# Altium PCB TRACKER.PcbDoc (part 2 of 2)
Units mil, origin at the board's own origin, x right, y up, seen from the top; angles counter-clockwise.
Board outline 4032.95 x 2360 mil, 2 copper layers (Top Layer, Bottom Layer), stack 64.173 mil thick; 101 components, 78 nets, 318 pads, 691 vias.
Unrouted connection lines stored in the file: 12.
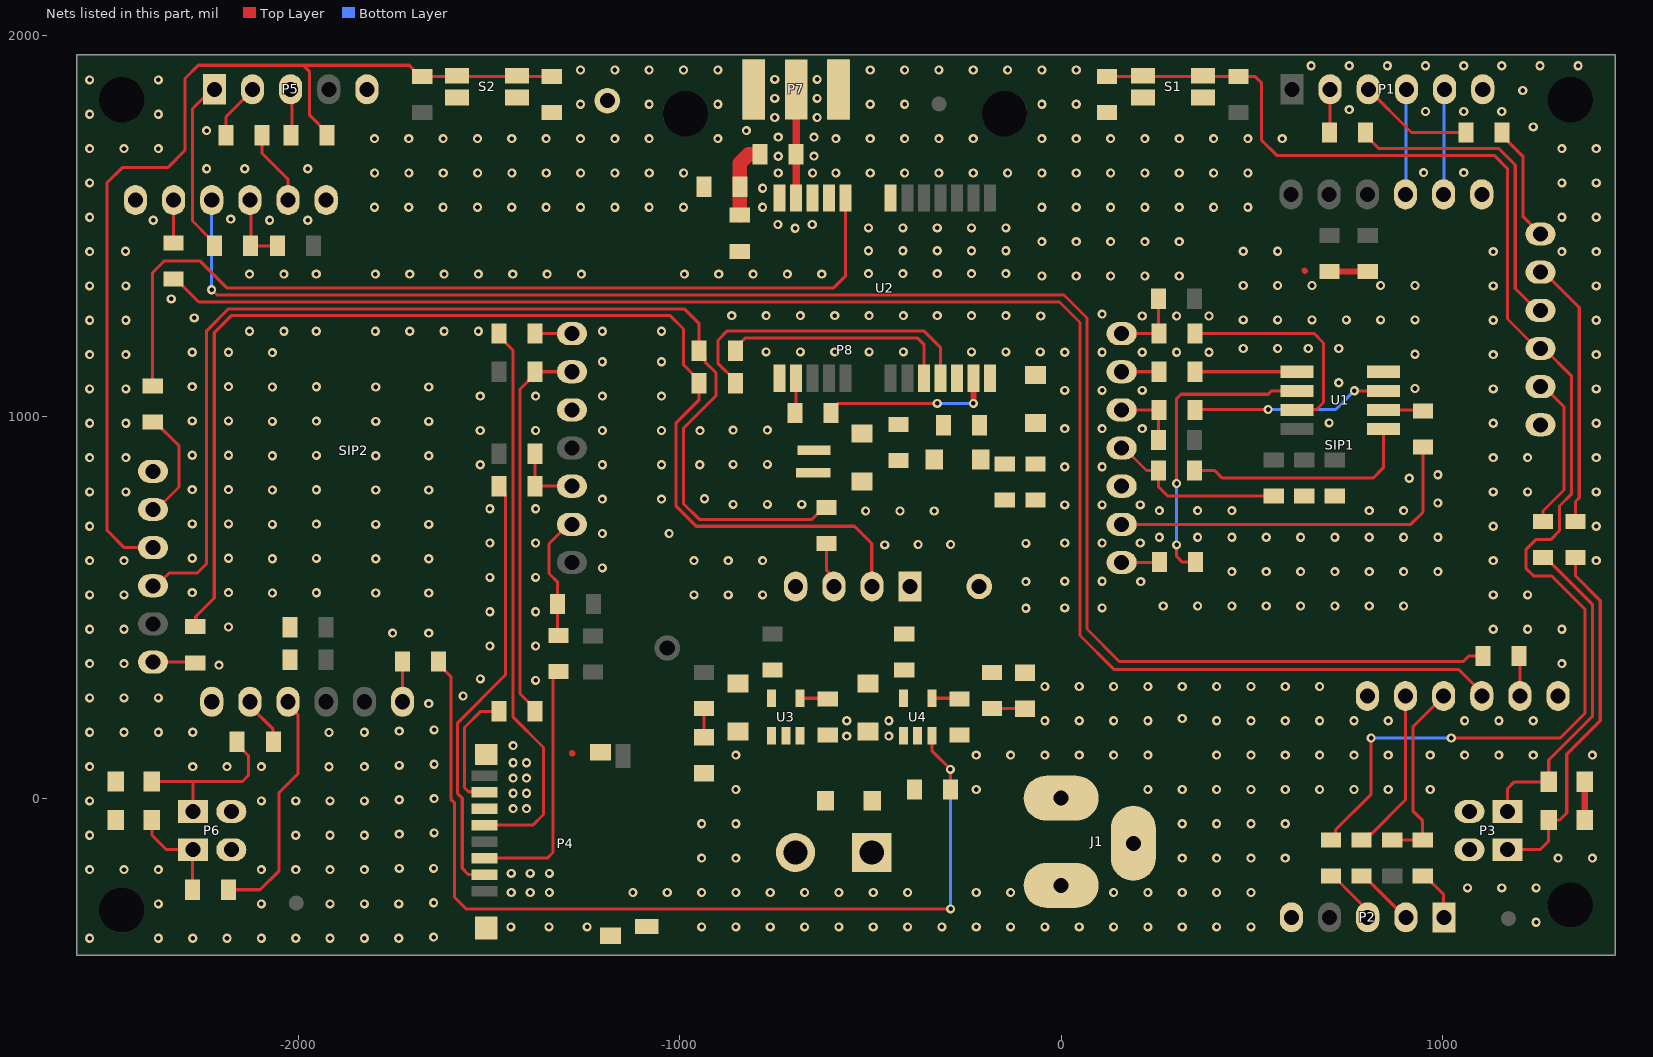
[diagram p2: the nets of this part, all layers, seen from the top]

## Via types
v1: diameter 24, hole 12, Top Layer to Bottom Layer, tented both sides, 687 vias
v2: diameter 31.5, hole 15.75, Top Layer to Bottom Layer, tented both sides, 3 vias
v3: diameter 24, hole 12, Top Layer to Bottom Layer, 1 vias

## Nets (pads, with @x,y where several pads share a name; then routed paths per layer and width w, separated by ;. In a path a pad name is that pad's centre, name@x,y a point inside that pad or via, vN(x,y) a via of type N, cw(c..) or ccw(c..) an arc to the next point about the centre after c; other vN are vias at no path point) (continued)
GND: BT1.NEG C1.2 C2.2 C3.2 C4.2 C5.2 C6.2 C7.2 C8.2 C9.1 C10.2 C11.2 C12.2 C13.2 C14.2 C15.2 C16.2 C17.2 D1.2 D2.2 D3.2 D4.2 D6.2 D8.2 J1.2 J1.3 P1.6 P2.5 P3.2 P3.4 P4.6 P4.10 P4.MP1 P4.MP2 P4.MP3 P4.MP4 P5.5 P6.2 P6.4 P7.2 P7.3 P7.4 P7.5 P8.4 P9.2 S1.1 S1.2 S2.1 S2.2 SIP1.1 SIP1.6 SIP1.7 SIP1.13 SIP1.23 SIP2.1 SIP2.6 SIP2.7 SIP2.13 SIP2.23 TP2.1 U1.4 U2.7 U2.10 U2.12 U2.13 U2.24 U3.2 U4.2 | length 197.8
  Top Layer w16: D3.2@-2477.78,-46.11 D3.2@-2477.39,-46.51 ; -1281.99,117.86 -1281.3,117.17 ; P4.MP4@-1208.12,117.17 P4.MP4@-1207.43,116.48 ; C10.2@-69.08,1108.37 C10.2@-67.58,1109.87 ; 638.01,1382.86 639.13,1381.74 ; C1.2@702.32,1381.74 C1.2@703.44,1380.62 C2.2@803.44,1380.62 ; D1.2@1372.44,-47.14 D2.2@1372.44,42.86
  other v1: -2546.56,-367.14 -2366.56,-367.14 -2276.56,-367.14 -2186.56,-367.14 -2096.56,-367.14 -2006.56,-367.14 -1916.56,-367.14 -1826.56,-367.14 -1736.56,-367.14 -1645.07,-364.07 -1442.56,-337.14 -1342.56,-337.14 -1242.56,-337.14 -942.56,-337.14 -852.56,-337.14 -762.56,-337.14 -672.56,-337.14 -582.56,-337.14 -492.56,-337.14 -402.56,-337.14 -312.56,-337.14 -222.56,-337.14 -132.56,-337.14 -42.56,-337.14 47.44,-337.14 137.44,-337.14 227.44,-337.14 317.44,-337.14 407.44,-337.14 497.44,-337.14 1245,-325 -2366.56,-277.14 -2096.56,-277.14 -1916.56,-277.14 -1826.56,-277.14 -1736.56,-277.14 -1645.07,-274.07 -1441.56,-247.14 -1391.56,-247.14 -1341.56,-247.14 -1122.56,-247.14 -1032.56,-247.14 -942.56,-247.14 -852.56,-247.14 -762.56,-247.14 -672.56,-247.14 -582.56,-247.14 -492.56,-247.14 -402.56,-247.14 -222.56,-247.14 -132.56,-247.14 137.44,-247.14 227.44,-247.14 317.44,-247.14 407.44,-247.14 497.44,-247.14 1065,-235 1155,-235 1245,-235 -1441.56,-197.14 -1391.56,-197.14 -1341.56,-197.14 -2546.56,-187.14 -2456.56,-187.14 -2366.56,-187.14 -2096.56,-187.14 -2006.56,-187.14 -1916.56,-187.14 -1826.56,-187.14 -1735.07,-184.07 -1645.07,-184.07 -942.56,-157.14 -852.56,-157.14 317.44,-157.14 407.44,-157.14 497.44,-157.14 587.44,-157.14 1302.44,-157.14 1392.44,-157.14 -2546.56,-97.14 -2006.56,-97.14 -1916.56,-97.14 -1826.56,-97.14 -1735.07,-94.07 -1643.57,-91 -942.56,-67.14 -852.56,-67.14 317.44,-67.14 407.44,-67.14 497.44,-67.14 587.44,-67.14 -1436.56,-27.14 -1401.56,-27.14 -2546.56,-7.14 -2096.56,-7.14 -2006.56,-7.14 -1916.56,-7.14 -1826.56,-7.14 -1735.07,-4.07 -1643.57,-1 -1436.56,12.86 -1401.56,12.86 -852.56,22.86 -222.56,22.86 227.44,22.86 317.44,22.86 407.44,22.86 497.44,22.86 587.44,22.86 677.44,22.86 767.44,22.86 857.44,22.86 967.44,22.86 -1436.56,52.86 -1401.56,52.86 -1919.14,82.34 -2546.56,82.86 -2276.56,82.86 -2186.56,82.86 -2096.56,82.86 -1826.56,82.86 -1735.07,85.93 -1643.57,89 -1436.56,92.86 -1401.56,92.86 -852.56,112.86 -222.56,112.86 -132.56,112.86 -42.56,112.86 47.44,112.86 137.44,112.86 227.44,112.86 407.44,112.86 497.44,112.86 587.44,112.86 677.44,112.86 767.44,112.86 857.44,112.86 967.44,112.86 1057.44,112.86 1147.44,112.86 1237.44,112.86 1392.44,112.86 -1436.56,137.86 -561.99,162.86 -451.56,162.86 -1919.14,172.34 -2546.56,172.86 -2456.56,172.86 -2366.56,172.86 -2276.56,172.86 -1826.56,172.86 -1735.07,175.93 -1643.57,179 -561.99,202.86 -451.56,202.86 -42.56,202.86 47.44,202.86 137.44,202.86 227.44,202.86 407.44,202.86 497.44,202.86 587.44,202.86 677.44,202.86 767.44,202.86 857.44,202.86 1057.44,202.86 1147.44,202.86 1237.44,202.86 317.42,208.89 -1657.56,247.86 -2546.56,262.86 -2456.56,262.86 -2366.56,262.86 -1567.56,267.86 -42.56,292.86 47.44,292.86 137.44,292.86 227.44,292.86 317.44,292.86 407.44,292.86 497.44,292.86 587.44,292.86 677.44,292.86 -1377.58,308.89 -1522.56,312.86 -2207.58,348.89 -2546.56,352.86 -2456.56,352.86 1312.44,352.86 -1497.58,398.89 -1377.58,398.89 -1752.56,432.86 -1657.56,432.86 -2546.56,442.86 -2456.56,442.86 1132.44,442.86 1222.44,442.86 1312.44,442.86 -2182.58,448.89 -1497.58,488.89 -1377.58,488.89 -92.56,497.86 9.46,498.88 107.42,498.89 267.42,503.89 357.42,503.89 447.42,503.89 537.42,503.89 627.42,503.89 717.42,503.89 807.42,503.89 897.42,503.89 -2546.56,532.86 -2456.56,532.86 -962.56,532.86 -872.56,532.86 -782.56,532.86 1132.44,532.86 1222.44,532.86 -2067.56,537.86 -1796.56,537.86 -1657.56,537.86 -2277.58,538.89 -2182.58,538.89 -1952.17,538.49 -92.56,567.86 208.44,567.86 9.46,568.89 107.42,568.89 -1497.58,578.89 -1377.58,578.89 447.42,593.89 537.42,593.89 627.42,593.89 717.42,593.89 807.42,593.89 897.42,593.89 987.42,593.89 -1202.58,603.89 -2546.56,622.86 -2456.56,622.86 -962.56,622.86 -872.56,622.86 -782.56,622.86 1132.44,622.86 1402.44,622.86 -2067.56,627.86 -1796.56,627.86 -1657.56,627.86 -2277.58,628.89 -2182.58,628.89 -1952.17,628.49 -462.58,663.89 -375,665 -290,665 -92.56,667.86 -1497.58,668.89 -1377.58,668.89 9.46,668.89 107.42,668.89 207.42,668.89 257.42,683.89 357.42,683.89 447.42,683.89 537.42,683.89 627.42,683.89 717.42,683.89 807.42,683.89 897.42,683.89 987.42,683.89 -1202.58,693.89 -1027.58,693.89 -2546.56,712.86 1132.44,712.86 1402.44,712.86 -2067.56,717.86 -1796.56,717.86 -1657.56,717.86 -2277.58,718.89 -2182.58,718.89 -1952.17,718.49 -512.56,752.86 -422.56,752.86 -332.56,752.86 257.42,753.89 357.42,753.89 447.42,753.89 807.42,753.89 897.42,753.89 -1497.58,758.89 -1377.58,758.89 9.46,768.89 107.42,768.89 207.42,768.89 -860,770 -770,770 -680,770 987.42,773.89 -1202.58,783.89 -1047.58,783.89 -935,785 -2546.56,802.86 -2451.56,802.86 1132.44,802.86 1222.44,802.86 1402.44,802.86 -2067.56,807.86 -1796.56,807.86 -1657.56,807.86 -2277.58,808.89 -2182.58,808.89 -1952.17,808.49 912.42,838.89 987.44,847.86 9.46,868.89 107.42,868.89 -1522.58,873.89 -1202.58,873.89 -1047.58,873.89 -947.58,873.89 -860,875 -770,875 -2546.56,892.86 -2451.56,892.86 1132.44,892.86 1222.44,892.86 1402.44,892.86 -2067.56,897.86 -1796.56,897.86 -1657.56,897.86 -2277.58,898.89 -2182.58,898.89 -1952.17,898.49 -1522.58,963.89 -1377.58,963.89 -1202.58,963.89 -1047.58,963.89 -946.71,963.45 -860,965 -770,965 9.46,968.89 107.42,968.89 212.42,968.89 -2546.56,982.86 -2451.56,982.86 1132.44,982.86 1402.44,982.86 702.42,983.89 -2067.56,987.86 -1796.56,987.86 -1657.56,987.86 -2277.58,988.89 -2182.58,988.89 -1952.17,988.49 -1522.58,1053.89 -1377.58,1053.89 -1202.58,1053.89 -1047.58,1053.89 9.46,1068.89 107.42,1068.89 212.42,1068.89 -2546.56,1072.86 -2451.56,1072.86 1132.44,1072.86 1402.44,1072.86 927.42,1073.89 -2067.56,1077.86 -1796.56,1077.86 -1657.56,1077.86 -2277.58,1078.89 -2182.58,1078.89 -1952.17,1078.49 727.42,1088.89 -1202.58,1143.89 -1047.58,1143.89 -2546.56,1162.86 -2451.56,1162.86 1132.44,1162.86 1402.44,1162.86 927.42,1163.89 -2067.56,1167.86 -2277.58,1168.89 -2182.58,1168.89 9.46,1168.89 107.42,1168.89 212.42,1168.89 302.42,1168.89 387.42,1168.89 -773.63,1170 -683.63,1170 -593.63,1170 -503.63,1170 -413.63,1170 -235,1170 -145,1170 -55,1170 477.42,1178.89 567.42,1178.89 647.42,1178.89 727.42,1178.89 -2127.58,1223.89 -2037.58,1223.89 -1952.58,1223.89 -1797.58,1223.89 -1707.58,1223.89 -1617.58,1223.89 -1527.58,1223.89 -1202.58,1223.89 -1047.58,1223.89 -2546.56,1252.86 -2451.56,1252.86 1132.44,1252.86 1402.44,1252.86 477.42,1253.89 567.42,1253.89 657.42,1253.89 747.42,1253.89 837.42,1253.89 927.42,1253.89 -2272.58,1258.89 -53.54,1264.02 212.42,1263.89 302.42,1263.89 387.42,1263.89 -863.63,1264.99 -773.63,1264.99 -683.63,1264.99 -593.63,1264.99 -503.63,1264.99 -413.63,1264.99 -325,1265 -235,1265 -145,1265 107.42,1268.89 -2332.58,1308.89 -2546.56,1342.86 -2451.56,1342.86 1132.44,1342.86 1402.44,1342.86 477.42,1343.89 567.42,1343.89 657.42,1343.89 837.42,1343.89 927.42,1343.89 -50.54,1368.89 39.46,1368.89 129.46,1368.89 219.46,1368.89 309.46,1368.89 -2127.58,1373.89 -2037.58,1373.89 -1952.58,1373.89 -1797.58,1373.89 -1707.58,1373.89 -1617.58,1373.89 -1527.58,1373.89 -1437.58,1373.89 -1347.58,1373.89 -1257.58,1373.89 -987.58,1373.89 -897.58,1373.89 -807.58,1373.89 -717.58,1373.89 -627.58,1373.89 -505,1375 -415,1375 -325,1375 -235,1375 -145,1375 -2546.56,1432.86 1132.44,1432.86 1312.44,1432.86 1402.44,1432.86 -2452.58,1433.89 477.42,1433.89 567.42,1433.89 -505,1435 -415,1435 -325,1435 -235,1435 -145,1435 -50.54,1458.89 39.46,1458.89 129.46,1458.89 219.46,1458.89 309.46,1458.89 -697.58,1493.89 -505,1495 -415,1495 -325,1495 -235,1495 -145,1495 -742.58,1503.89 -652.58,1503.89 -2380,1515 -2075,1515 -1975,1515 -2176.56,1517.86 -2546.56,1522.86 1312.44,1522.86 1402.44,1522.86 -1800,1548.9 -1710,1548.9 -1620,1548.9 -1530,1548.9 -1440,1548.9 -1350,1548.9 -1260,1548.9 -1170,1548.9 -1080,1548.9 -990,1548.9 -782.58,1548.89 -50.54,1548.89 39.46,1548.89 129.46,1548.89 219.46,1548.89 309.46,1548.89 399.46,1548.89 489.46,1548.89 -782.58,1598.89 -2546.56,1612.86 1312.44,1612.86 1402.44,1612.86 -1799.82,1638.9 -1709.82,1638.9 -1619.82,1638.9 -1529.82,1638.9 -1439.82,1638.9 -1349.82,1638.9 -1259.82,1638.9 -1169.82,1638.9 -1079.82,1638.9 -989.82,1638.9 -741.56,1638.89 -651.56,1638.89 -590.54,1638.89 -500.54,1638.89 -410.54,1638.89 -320.54,1638.89 -230.54,1638.89 -140.54,1638.89 -50.54,1638.89 39.46,1638.89 129.46,1638.89 219.46,1638.89 309.46,1638.89 399.46,1638.89 489.46,1638.89 950,1640 1055,1640 -2240,1650 -2140,1650 -1975,1650 -741.56,1682.86 -648,1683 -2546.56,1702.86 -2456.56,1702.86 -2366.56,1702.86 1312.44,1702.86 1402.44,1702.86 -1800,1728.9 -1710,1728.9 -1620,1728.9 -1530,1728.9 -1440,1728.9 -1350,1728.9 -1260,1728.9 -1170,1728.9 -1080,1728.9 -900,1728.9 -590.54,1728.89 -500.54,1728.89 -410.54,1728.89 -320.54,1728.89 -230.54,1728.89 -50.54,1728.89 39.46,1728.89 129.46,1728.89 219.46,1728.89 309.46,1728.89 399.46,1728.89 489.46,1728.89 579.46,1728.89 -741.56,1732.86 -648,1733 -2240,1750 -825,1750 1237.31,1759.72 -750.82,1784.3 -639.82,1784.3 -2546.56,1792.86 -2366.56,1792.86 955,1800 1055,1800 1155,1800 755,1805 -1260,1818.9 -1080,1818.9 -900,1818.9 -500.54,1818.89 -410.54,1818.89 -50.54,1818.89 39.46,1818.89 -750.82,1834.3 -639.82,1834.3 1210,1855 -2546.56,1882.86 -2366.56,1882.86 -750.82,1884.3 -639.82,1884.3 -1260,1908.9 -1170,1908.9 -1080,1908.9 -990,1908.9 -900,1908.9 -500.54,1908.89 -410.54,1908.89 -320.54,1908.89 -230.54,1908.89 -140.54,1908.89 -50.54,1908.89 39.46,1908.89 655,1920 755,1920 855,1920 955,1920 1055,1920 1155,1920 1255,1920 1355,1920
GPS_RF_IN: L1.2 P7.1 U2.11 | length 284.6
  Top Layer w19.99: U2.11@-694.82,1573.3 P7.1@-694.82,1857.86
GPS_RX: P8.2 R41.1 R44.1 | length 3236.8
  Top Layer w8: R44.1@-2270,449.49 -2268.51,450.98 -2268.51,476.49 -2220,525 -2220,1220 -2175.14,1264.86 -1025,1264.86 -990,1229.86 -990,1135.95 -948.8,1094.75 R41.1@-948.8,1087.86 -948.8,1044.16 -1010,982.96 -1010,766.3 -956.56,712.86 -541.56,712.86 -496.56,667.86 -496.56,555.55 P8.2@-495.88,554.87
  Bottom Layer w8: P8.2@-495.88,554.87 P8.2@-495.88,563.92
GPS_V_BCKP: BT1.POS C13.1 R42.1 R43.2 U2.22
GPS_VCC_RF: R39.1 U2.9
MTR_ACVTY: R7.1 SIP1.11 | length 705.3
  Top Layer w8: SIP1.11@1256.44,1378.86 1265.49,1378.86 1358.01,1286.35 1358.01,787.86 1348.01,777.86 R7.1@1348.01,725.11
MTR_CS_FLASH: R9.1 R13.2 SIP1.22 | length 456.2
  Top Layer w8: SIP1.22@158.44,917.86 164.51,917.86 223.49,858.89 R13.2@255.17,858.89 255.17,816.39 279.92,791.64 R9.1@537.42,791.64
MTR_I2C_SCL: P1.5 SIP1.14 | length 276.5
  Bottom Layer w8: SIP1.14@1002.44,1582.86 1003.72,1584.14 1003.72,1857.02 P1.5@1005,1858.3
MTR_I2C_SDA: P1.4 SIP1.15 | length 276.5
  Bottom Layer w8: SIP1.15@902.44,1582.86 903.72,1584.14 903.72,1857.02 P1.4@905,1858.3
MTR_LPUART_RX: R6.1 SIP1.10 | length 846
  Top Layer w8: R6.1@797.24,1745 797.24,1738.11 832.35,1703 1147,1703 1190.18,1659.82 1190.18,1336.07 1247.38,1278.86 SIP1.10@1256.44,1278.86
MTR_LPUART_TX: R4.1 SIP1.12 | length 308.2
  Top Layer w8: R4.1@1155,1745 1155,1738.11 1210,1683.11 1210,1525.3 SIP1.12@1256.44,1478.86
MTR_NHOLD: R8.1 R15.1 SIP1.19 | length 179.2
  Top Layer w8: SIP1.19@158.44,1217.86 R15.1@256.2,1217.86 255.17,1218.89 R8.1@255.17,1298.89
MTR_NRST: C5.1 R5.1 R12.1 S1.3 S1.4 SIP1.9 | length 3808.6
  Top Layer w8: C5.1@120,1892.24 R12.1@465,1892.24 507.76,1892.24 525,1875 525,1725 565,1685 1135,1685 1170,1650 1170,1256.25 1247.38,1178.86 SIP1.9@1256.44,1178.86 1265.49,1178.86 1338.01,1106.35 1338.01,797.86 1306.32,766.18 1306.32,701.18 1283.01,677.86 1244.19,677.86 1218.01,651.68 1218.01,602.86 1238.01,582.86 1285.31,582.86 1373.01,495.16 1373.01,222.86 1308.01,157.86 v1(1022.44,157.86) ; R5.1@707.44,-109.89 718.9,-98.43 718.9,-82.9 812.44,10.65 v1(812.44,157.86)
  Bottom Layer w8: v1(812.44,157.86) v1(1022.44,157.86)
MTR_NWP: R10.1 R16.2 SIP1.21 | length 177.2
  Top Layer w8: SIP1.21@158.44,1017.86 R16.2@256.2,1017.86 255.17,1016.84 R10.1@255.17,938.89
MTR_SPI2_MISO: R14.2 SIP1.24 | length 974
  Top Layer w8: SIP1.24@158.44,717.86 916.39,717.86 948.44,749.91 R14.2@948.44,920.62
MTR_SPI2_MOSI: R18.1 SIP1.20 | length 97.8
  Top Layer w8: SIP1.20@158.44,1117.86 R18.1@256.2,1117.86
MTR_SPI2_SCK: R17.1 SIP1.25 | length 96.7
  Top Layer w8: SIP1.25@158.44,617.86 R17.1@255.17,617.86
MTR_STATUS: R11.1 SIP1.8 | length 407.3
  Top Layer w8: SIP1.8@1256.44,1078.86 1265.49,1078.86 1318.01,1026.35 1318.01,807.86 1263.01,752.86 R11.1@1263.01,725.11
MTR_SWCLK: R3.1 SIP1.2 | length 430.9
  Top Layer w8: R3.1@787.44,-109.89 803.12,-94.21 812.59,-94.21 902.44,-4.35 SIP1.2@902.44,267.86
MTR_SWDIO: R1.1 R2.1 SIP1.3 | length 501.2
  Top Layer w8: R1.1@867.44,-109.89 R2.1@947.44,-109.89 947.44,-59.35 922.44,-34.35 922.44,187.86 SIP1.3@1002.44,267.86
MTR_UART_RX: R20.1 SIP1.4 | length 4368
  Top Layer w8: R20.1@-2326.99,1360.62 -2320.1,1360.62 -2260.35,1300.86 -4.56,1300.86 49.42,1246.89 49.42,426.45 138.01,337.86 1041.49,337.86 1102.44,276.92 SIP1.4@1102.44,267.86
MTR_UART_TX: R19.1 SIP1.5 | length 103.2
  Top Layer w8: SIP1.5@1202.44,267.86 1202.44,369.62 R19.1@1203.44,370.62
NetC9_2: C9.2 L1.1 R39.2 | length 198.8
  Top Layer w38: R39.2@-842.43,1528.11 C9.2@-842.43,1602.75 ; C9.2@-842.43,1602.86 -842.43,1664.43 -818.99,1687.86 L1.1@-789.56,1687.86
NetC14_1: C14.1 U3.4 | length 74.1
  Top Layer w8: U3.4@-684.16,262.07 -615.18,262.07 -612.39,259.28 C14.1@-611.56,260.11
NetC16_1: C16.1 U4.4 | length 74.6
  Top Layer w8: U4.4@-339.16,262.07 -268.53,262.07 C16.1@-266.56,260.11 ; U4.4@-339.16,264.48 U4.4@-338.33,265.3
NetC17_1: C17.1 FB2.1 U4.5
NetD1_1: D1.1 P3.1 R7.2 | length 959.8
  Top Layer w8: P3.1@1170,-135 1255,-135 1277.76,-112.24 D1.1@1277.76,-57.14 ; D1.1@1278,-57.09 1306.92,-57.09 1325.2,-38.81 1325.2,115.62 1413.01,203.43 1413.01,517.86 1348.01,582.86 R7.2@1348.01,630.62
NetD2_1: D2.1 P3.3 R11.2 | length 868.5
  Top Layer w8: P3.3@1170,-35 1170,25 1187.86,42.86 D2.1@1277.76,42.86 ; R11.2@1263.01,630.62 1269.9,630.62 1393.01,507.51 1393.01,215.43 1277.95,100.37 D2.1@1277.95,42.86
NetD3_1: D3.1 P6.3 R33.2 | length 269.2
  Top Layer w8: D3.1@-2383.29,-57.14 -2383.29,-96.71 -2345,-135 P6.3@-2275.34,-135 -2277.24,-136.9 R33.2@-2277.24,-240
NetD4_1: D4.1 P6.1 R36.2 | length 440.6
  Top Layer w8: D4.1@-2382.27,42.86 D4.1@-2383.29,43.89 -2275,43.89 ; P6.1@-2275.34,-35 -2275.34,43.54 -2275,43.89 ; R36.2@-2159.8,147.86 -2159.8,140.97 -2130,111.17 -2130,60 -2146.11,43.89 -2275,43.89
NetD5_2: D5.2 R42.2
NetD6_1: D6.1 R45.1 | length 75.5
  Top Layer w8: D6.1@-936.56,160.11 R45.1@-936.56,235.62
NetD7_1: D7.1 J1.1 P9.1
NetD8_1: D8.1 R47.1 | length 86.8
  Top Layer w8: R47.1@-181.56,235.62 -180.94,235 D8.1@-95,235
NetP1_2: P1.2 R6.2 | length 114.2
  Top Layer w8: R6.2@702.76,1745 705,1747.24 P1.2@705,1858.3
NetP1_3: P1.3 R4.2 | length 302.4
  Top Layer w8: P1.3@805,1858.3 918.3,1745 R4.2@1060.51,1745
NetP2_1: P2.1 R2.2 | length 135
  Top Layer w8: R2.2@947.44,-204.38 954.33,-204.38 1002.44,-252.49 1002.44,-311.14 P2.1@1003.44,-312.14
NetP2_2: P2.2 R3.2 | length 161
  Top Layer w8: R3.2@787.68,-204.63 R3.2@787.44,-204.38 794.33,-204.38 902.09,-312.14 P2.2@903.44,-312.14
NetP2_3: P2.3 R5.2 | length 151.6
  Top Layer w8: R5.2@707.44,-204.38 714.33,-204.38 741.44,-231.49 741.44,-232.14 803.44,-294.14 P2.3@803.44,-312.14
NetP4_2: P4.2 R28.1 | length 1130.7
  Top Layer w8: P4.2@-1511.56,-200.45 -1511.63,-200.38 -1553.32,-200.38 -1570,-183.7 -1570,0 -1582,12 -1582,197.86 -1456.99,322.86 -1456.99,790.6 -1458.12,791.73 -1458.12,802.18 R28.1@-1473.8,817.86
NetP4_3: P4.3 R30.1 | length 658.5
  Top Layer w8: P4.3@-1511.56,-157.14 -1346.99,-157.14 -1331.99,-142.14 R30.1@-1331.99,330.62
NetP4_5: P4.5 R31.1 | length 1475
  Top Layer w8: P4.5@-1511.56,-70.52 -1384.95,-70.52 -1356.99,-42.57 -1356.99,132.86 -1436.56,212.43 -1436.56,1173.73 -1473.8,1210.97 R31.1@-1473.8,1217.86
NetP4_7: P4.7 R32.1 | length 317.8
  Top Layer w8: P4.7@-1511.56,16.09 -1512.48,17.01 -1553.32,17.01 -1564,27.69 -1564,185.42 -1521.56,227.86 R32.1@-1478.8,227.86
NetP5_1: P5.1 R26.2 | length 461.5
  Top Layer w8: R26.2@-2224.38,1460.25 -2224.74,1460.25 -2234.92,1470.44 -2234.92,1470.79 -2276.99,1512.86 -2276.99,1807.43 P5.1@-2216.56,1867.86 ; R26.2@-2219.24,1447.86 R26.2@-2219.24,1454.75
NetP5_2: P5.2 R27.2 | length 160.1
  Top Layer w8: R27.2@-2189.24,1737.86 -2189.24,1786.13 -2116.56,1858.81 P5.2@-2116.56,1867.86
NetP5_3: P5.3 R29.2 | length 131.1
  Top Layer w8: R29.2@-2019.24,1737.86 -2016.56,1740.54 P5.3@-2016.56,1867.86
NetP8_3: P8.3 R37.2 | length 125.8
  Top Layer w8: R37.2@-615,672.76 -615,597.28 -595.88,578.17 P8.3@-595.88,554.87
NetR13_1: R13.1 U1.1 | length 616.2
  Top Layer w8: R13.1@349.66,858.89 402.42,858.89 422.42,838.89 817.42,838.89 844.42,865.89 U1.1@844.42,967.86
NetR14_1: R14.1 U1.2 | length 105.2
  Top Layer w8: U1.2@844.42,1017.86 945.68,1017.86 R14.1@948.44,1015.11
NetR15_2: R15.2 U1.7 | length 580
  Top Layer w8: R15.2@350.68,1217.86 663.01,1217.86 687.42,1193.45 687.42,1037.27 669.06,1018.92 619.49,1018.92 U1.7@618.44,1017.86
NetR16_1: R16.1 U1.3 | length 514.5
  Top Layer w8: R16.1@350.68,1017.86 351.71,1018.89 v1(542.42,1018.89) ; v1(768.44,1067.86) U1.3@844.42,1067.86
  Bottom Layer w8: v1(542.42,1018.89) 719.46,1018.89 v1(768.44,1067.86)
NetR17_2: R17.2 U1.6 | length 793.6
  Top Layer w8: v1(302.42,663.89) 302.42,633.89 317.42,618.89 R17.2@351.9,618.89 ; v1(302.42,824.89) 302.42,1047.27 314.03,1058.89 542.42,1058.89 551.39,1067.86 U1.6@618.44,1067.86
  Bottom Layer w8: v1(302.42,663.89) v1(302.42,824.89)
NetR18_2: R18.2 U1.5 | length 267.8
  Top Layer w8: R18.2@350.68,1117.86 U1.5@618.44,1117.86
NetR40_1: R40.1 U2.20 | length 608.3
  Top Layer w8: R40.1@-854.32,1172.86 -854.32,1179.75 -827.32,1206.75 -376.92,1206.75 -360.17,1190 U2.20@-360.17,1100.86
NetR41_2: R41.2 U2.21 | length 823.4
  Top Layer w8: R41.2@-854.32,1087.86 -854.32,1094.75 -900,1140.44 -900,1200 -875,1225 -360,1225 -316.87,1181.87 U2.21@-316.87,1100.86
NetR48_1: R48.1 U2.14 | length 96.9
  Top Layer w8: R48.1@-697.24,1005 -694.82,1007.42 U2.14@-694.82,1100.86
SLV_ACVTY: R33.1 SIP2.15 | length 640.2
  Top Layer w8: R33.1@-2195,-237.24 R33.1@-2191.24,-241 ; R33.1@-2182.76,-233.11 R33.1@-2182.76,-240 -2100,-240 -2050,-190 -2050,15 -2000,65 -2000,217.15 -2026.56,243.71 SIP2.15@-2026.56,252.86
SLV_CS_SD: R22.1 R28.2 SIP2.21 | length 181.9
  Top Layer w8: R22.1@-1379.75,902.86 -1379.32,902.43 R28.2@-1379.32,817.86 SIP2.21@-1282.56,817.86
SLV_GPS_PWR: R35.2 SIP2.18 | length 105.6
  Top Layer w8: R35.2@-1727.06,358.3 -1726.56,357.8 SIP2.18@-1726.56,252.86
SLV_GPS_PWR_R: R35.1 R46.1 U4.3 | length 2475.1
  Top Layer w8: R35.1@-1632.58,358.3 -1632.58,351.41 -1600,318.84 -1600,-2.56 -1589.85,-12.71 -1589.85,-260.15 -1560,-290 v1(-290,-290) ; U4.3@-339.16,163.65 -339.16,124.46 v1(-290.32,75.62) R46.1@-290.32,22.86
  Bottom Layer w8: v1(-290.32,75.62) -290.32,-289.68 v1(-290,-290)
SLV_GPS_RST: R34.2 SIP2.8 | length 303.9
  Top Layer w8: SIP2.8@-2389.62,756.86 SIP2.8@-2380.56,756.86 -2371.51,756.86 -2312.56,815.81 -2312.56,923.51 -2374.67,985.62 R34.2@-2381.56,985.62
SLV_GPS_RST_R: R34.1 U2.8 | length 2372.8
  Top Layer w8: R34.1@-2381.56,1080.11 -2381.56,1378.01 -2351.71,1407.86 -2256.99,1407.86 -2186.99,1337.86 -596.56,1337.86 -564.9,1369.52 U2.8@-564.9,1573.3
SLV_GPS_RX: R44.2 SIP2.12 | length 111.3
  Top Layer w8: SIP2.12@-2380.56,356.86 -2271.86,356.86 R44.2@-2270,355
SLV_GPS_TX: R37.1 R40.2 SIP2.10 | length 3036.6
  Top Layer w8: SIP2.10@-2380.56,556.86 -2371.51,556.86 -2338.37,590 -2265,590 -2240,615 -2240,1225.46 -2182.59,1282.86 -987.86,1282.86 -948.8,1243.8 R40.2@-948.8,1172.86 -933.12,1157.18 -933.12,1143.12 -905,1115 -905,1055 -990,970 -990,771.76 -949.1,730.86 -653.27,730.86 -621.89,762.24 R37.1@-615,762.24
SLV_NRST: C8.1 R29.1 R38.1 S2.3 S2.4 SIP2.9 | length 2676.7
  Top Layer w8: SIP2.9@-2380.56,656.86 -2455.56,656.86 -2501.56,702.86 -2501.56,1612.86 -2461.56,1652.86 -2341.99,1652.86 -2296.56,1698.29 -2296.56,1886.66 -2261.99,1921.23 -1986.99,1921.23 ; R29.1@-1924.75,1737.86 -1924.75,1744.75 -1969.82,1789.82 -1969.82,1904.06 -1986.99,1921.23 ; R38.1@-1677.5,1889.74 -1679.39,1889.74 -1697.57,1907.93 -1697.57,1909.82 -1708.99,1921.23 -1986.99,1921.23 ; R38.1@-1675,1892.24 -1583.74,1892.24 -1426.26,1892.24 C8.1@-1335,1892.24 ; S2.3@-1425.82,1886.41 S2.3@-1424.98,1887.24
SLV_SPI2_MISO: R24.1 R32.2 SIP2.24 | length 1041.7
  Top Layer w8: R32.2@-1395,243.55 R32.2@-1379.32,227.86 -1379.32,234.75 -1418.56,274 -1418.56,1072.16 -1379.75,1110.97 R24.1@-1379.75,1117.86 SIP2.24@-1282.56,1117.86
SLV_SPI2_MOSI: R23.1 R30.2 SIP2.20 | length 341.3
  Top Layer w8: R30.2@-1317.58,426.13 -1319.83,428.37 R23.1@-1319.83,508.89 -1319.83,566.13 -1342.58,588.89 -1342.58,666.89 -1291.62,717.86 SIP2.20@-1282.56,717.86 SIP2.20@-1273.51,717.86
SLV_SPI2_SCK: R31.2 SIP2.25 | length 96.8
  Top Layer w8: R31.2@-1379.32,1217.86 SIP2.25@-1282.56,1217.86
SLV_STATUS: R36.1 SIP2.14 | length 134.3
  Top Layer w8: SIP2.14@-2126.56,252.86 -2126.56,241.86 -2066.45,181.75 -2066.45,148.99 R36.1@-2065.32,147.86 ; R36.1@-2076.56,150.62 R36.1@-2073.8,147.86
SLV_SWCLK: R27.1 SIP2.2 | length 218.2
  Top Layer w8: R27.1@-2094.75,1737.86 -2094.75,1690.62 -2026.56,1622.43 SIP2.2@-2026.56,1567.86 ; R27.1@-2094.32,1737.86 R27.1@-2094.32,1757.86
SLV_SWDIO: R21.1 R26.1 SIP2.3 | length 169.3
  Top Layer w8: SIP2.3@-2126.56,1567.86 -2124.24,1565.54 R26.1@-2124.24,1467.86 ; R26.1@-2124.75,1447.86 -2124.24,1447.86 R21.1@-2056.36,1447.86
SLV_UART_RX: R19.2 SIP2.4 | length 4451.1
  Top Layer w8: v1(-2226.99,1332.86) -2212.99,1318.86 7.44,1318.86 67.42,1258.89 67.42,443.45 153.01,357.86 1053.01,357.86 1068.01,372.86 R19.2@1101.2,372.86
  Bottom Layer w8: v1(-2226.99,1332.86) -2226.78,1333.08 -2226.78,1567.65 SIP2.4@-2226.56,1567.86
SLV_UART_TX: R20.2 SIP2.5 | length 97.8
  Top Layer w8: R20.2@-2326.56,1470.11 SIP2.5@-2326.56,1567.86
V_GPS: C10.1 C11.1 C12.1 D5.1 FB2.2 P8.1 R43.1 R47.2 R48.2 TP3.1 U2.23 | length 453.1
  Top Layer w8: R48.2@-602.76,1010 -602.76,1016.89 -584.65,1035 v1(-325,1035)
  Top Layer w16: U2.23@-230.25,1100.86 -230.13,1100.74 -230.13,1035.13 v1(-230,1035)
  Bottom Layer w8: v1(-325,1035) v1(-230,1035)
VIN: D7.2 R46.2 U3.1 U3.3 U4.1
VOUT: C15.1 FB1.1 U3.5
pads on no net: FM1.1 FM2.1 FM3.1 P4.1 P4.8 P8. SIP1.18 SIP2.11 SIP2.22 U2.1 U2.2 U2.3 U2.4 U2.5 U2.6 U2.15 U2.16 U2.17 U2.18 U2.19

## Polygon pours and split planes (outlines as drawn)
GPS_RF_IN on Top Layer "GPS_RF_IN_L01_P046" (solid, pour order 46): -683,1615 -683,1653 -675,1661 -675,1715 -683,1723 -683,1762 -666,1779 -666,1784 -724,1784 -724,1779 -707,1762 -707,1723 -715,1715 -715,1661 -707,1653 -707,1615 -711,1611 -711,1573.3 -679,1573.3 -679,1611
GND on Top Layer "GND_L01_P106" (solid, pour order 106): -527.74,1940 -655.38,1940 -655.38,1760 -527.64,1760
GND on Top Layer "GND_L01_P105" (solid, pour order 105): -861.9,1940 -734.26,1940 -734.26,1760 -862,1760
GND on Top Layer "GND_L01_P101" (solid, remove dead copper, pour order 101): -2575,1940 1445,1940 1445,-405 -2575,-405
NetD7_1 on Top Layer "NETD7_1_L01_P075" (solid, pour order 75): -565,40 -430,40 -430,-60 -220,-60 -75,85 80,85 120,45 120,-40 75,-85 -10,-85 -135,-210 -565,-210
V_GPS on Top Layer "V_GPS_L01_P063" (solid, pour order 63): -216.56,302.86 -352.56,302.86 -352.56,382.86 -446.56,382.86 -446.56,618.89 -245.99,618.89 -245.99,1118.4 -214.74,1118.4 -214.74,1017.86 -29.58,1017.86 -29.58,846.45 -187.58,846.45 -187.58,618.89 -146.56,618.89 -146.56,463.89 -146.56,302.86
+3.3V on Top Layer "+3.3V_L01_P072" (solid, pour order 72): -1962.58,483.3 -1916.99,483.3 -1916.99,1207.86 -1829.82,1207.86 -1829.82,483.3 -1787.58,483.3 -1787.58,203.3 -1962.58,203.3
GPS_V_BCKP on Top Layer "GPS_V_BCKP_L01_P064" (solid, pour order 64): -701.56,935 -560,935 -560,1007.86 -289,1007.86 -289,1133.4 -258,1133.4 -258,950 -476.56,950 -476.56,887.86 -701.56,887.86
+3.3V on Top Layer "+3.3V_L01_P100" (solid, pour order 100): -1986.99,1407.86 -1986.99,1482.86 -1081.99,1482.86 -1081.99,1407.86
NetC17_1 on Top Layer "NETC17_1_L01_P085" (solid, pour order 85): -552,367.86 -367.56,367.86 -367.56,230.74 -552,230.74
+3.3V on Top Layer "+3.3V_L01_P071" (solid, pour order 71): 1022.44,1383.43 958.01,1447.86 663.44,1447.86 663.44,1632.86 843.44,1632.86 843.44,1517.86 1008.01,1517.86 1097.42,1428.45 1097.42,482.84 1002.44,387.86 173.01,387.86 173.01,462.86 967.44,462.86 1022.44,517.86
VOUT on Top Layer "VOUT_L01_P070" (solid, pour order 70): -886.99,367.86 -712.56,367.86 -712.56,232.86 -886.99,232.86
VIN on Top Layer "VIN_L01_P068" (solid, pour order 68): -356.99,52.86 -356.99,-47.14 -416.99,-47.14 -416.99,52.86 -581.99,52.86 -581.99,-47.14 -771.56,-47.14 -771.56,187.86 -746.56,187.86 -746.56,122.86 -696.99,122.86 -696.56,123.29 -696.56,187.86 -671.56,187.86 -671.56,122.86 -426.56,122.86 -426.56,187.86 -401.56,187.86 -401.56,122.86 -356.99,122.86
NetD5_2 on Top Layer "NETD5_2_L01_P066" (solid, pour order 66): -456.56,922.86 -461.56,917.86 -461.56,852.86 -456.56,847.86 -303.16,847.86 -297.63,853.39 -297.63,918.93 -301.56,922.86
GPS_VCC_RF on Top Layer "GPS_VCC_RF_L01_P062" (solid, pour order 62): -593.65,1538.91 -593.65,1406.89 -875.58,1406.89 -875.58,1458.89 -623,1458.89 -623,1538.91
+3.3V on Top Layer "+3.3V_L01_P097" (solid, pour order 97): -1466.99,-128.14 -1466.99,-142.14 -1451.99,-142.14 -1356.99,-142.14 -1346.99,-132.14 -1346.99,-87.14 -1466.99,-87.14 -1466.99,-99.14 -1546.99,-99.14 -1546.99,-128.14
+3.3V on Top Layer "+3.3V_L01_P096" (solid, pour order 96): -1161.99,402.86 -1256.99,402.86 -1256.99,537.86 -1156.99,537.86 -1156.99,1207.86 -1081.99,1207.86 -1081.99,462.86 -457.58,462.86 -457.58,387.86 -896.99,387.86 -896.99,297.86 -996.99,297.86 -996.99,-142.14 -1071.99,-142.14 -1071.99,297.86 -1161.99,297.86
GND on Bottom Layer "GND_L02_P102" (solid, pour order 102): -2575,1940 1445,1940 1445,-405 -2575,-405
+3.3V on Bottom Layer "+3.3V_L02_P099" (solid, pour order 99): -1156.99,1122.86 -1081.99,1122.86 -1081.99,1487.86 -1156.99,1487.86
+3.3V on Bottom Layer "+3.3V_L02_P093" (solid, pour order 93): -1916.99,1122.86 -1831.99,1122.86 -1831.99,1487.86 -1916.99,1487.86
+3.3V on Bottom Layer "+3.3V_L02_P092" (solid, pour order 92): -1466.99,-87.14 -1071.99,-87.14 -1071.99,-27.14 -996.99,-27.14 -996.99,-142.14 -1466.99,-142.14
+3.3V on Bottom Layer "+3.3V_L02_P086" (solid, pour order 86): -656.99,387.86 -656.99,462.86 368.01,462.86 368.01,387.86

## Silkscreen, mask and mechanical layers (free items; w line width, h text height)
Top Overlay:
  drawing of 44 lines, arcs and shapes, not listed
  text "V1R0" at -1585,1575 h40
Mechanical 1:
  lines w5: -2580.54,-411.11 -2580.54,1948.89 1452.42,1948.89 1452.42,-411.11 -2580.54,-411.11
Drill Drawing:
  circle w10: c-2411.94,3705.14 r33.33
  lines w10: -2445.27,2955.14 -2411.94,2921.8 -2378.6,2955.14 -2411.94,2988.47 -2445.27,2955.14 ; -2445.27,3071.8 -2378.6,3071.8 -2378.6,3138.47 -2445.27,3138.47 -2445.27,3071.8 ; -2445.27,3288.47 -2378.6,3288.47 -2411.94,3221.8 -2445.27,3288.47 ; -2445.27,3371.8 -2411.94,3388.47 -2378.6,3371.8 -2395.27,3405.14 -2378.6,3438.47 -2411.94,3421.8 -2445.27,3438.47 -2428.6,3405.14 -2445.27,3371.8 ; -2445.27,3538.47 -2428.6,3538.47 -2411.94,3521.8 -2395.27,3538.47 -2378.6,3538.47 -2395.27,3555.14 -2378.6,3571.8 -2395.27,3571.8 -2411.94,3588.47 -2428.6,3571.8 -2445.27,3571.8 -2428.6,3555.14 -2445.27,3538.47
  lines w15: -2505.06,2876.8 11223.06,2876.8 ; -2505.06,3776.8 11223.06,3776.8 ; -1954.18,2726.8 -1954.18,3926.8 ; -1354.34,2726.8 -1354.34,3926.8 ; -214.68,2726.8 -214.68,3926.8 ; 291.2,2726.8 291.2,3926.8 ; 1025,2726.8 1025,3926.8 ; 2524.55,2726.8 2524.55,3926.8 ; 3114.4,2726.8 3114.4,3926.8 ; 3860.2,2726.8 3860.2,3926.8 ; 5129.82,2726.8 5129.82,3926.8 ; 5983.59,2726.8 5983.59,3926.8 ; 7317.19,2726.8 7317.19,3926.8 ; 8650.8,2726.8 8650.8,3926.8 ; 9820.46,2726.8 9820.46,3926.8 ; -2505.06,2726.8 11223.06,2726.8 11223.06,3926.8 -2505.06,3926.8 -2505.06,2726.8
  text "Symbol" at -2415.06,3821.8 h72
  text "Count" at -1909.18,3821.8 h72
  text "Hole Size" at -1309.34,3821.8 h72
  text "Plated" at -169.68,3821.8 h72
  text "Hole Type" at 336.2,3821.8 h72
  text "Drill Layer Pair" at 1070,3821.8 h72
  text "Via/Pad" at 2569.55,3821.8 h72
  text "Pad Shape" at 3159.4,3821.8 h72
  text "Template" at 3905.2,3821.8 h72
  text "Description" at 5174.82,3821.8 h72
  text "Hole Tolerance (+)" at 6028.59,3821.8 h72
  text "Hole Tolerance (-)" at 7362.19,3821.8 h72
  text "Hole Length" at 8695.8,3821.8 h72
  text "Routed Path Length" at 9865.46,3821.8 h72
  text "2" at -1909.18,3671.8 h60
  text "1,600mm (62,99mil)" at -1309.34,3671.8 h60
  text "PTH" at -169.68,3671.8 h60
  text "Round" at 336.2,3671.8 h60
  text "Top Layer - Bottom Layer" at 1070,3671.8 h60
  text "Pad" at 2569.55,3671.8 h60
  text "(Mixed)" at 3159.4,3671.8 h60
  text "(Mixed)" at 3905.2,3671.8 h60
  text "-" at 8695.8,3671.8 h60
  text "-" at 9865.46,3671.8 h60
  text "3" at -1909.18,3521.8 h60
  text "0,400mm (15,75mil)" at -1309.34,3521.8 h60
  text "PTH" at -169.68,3521.8 h60
  text "Round" at 336.2,3521.8 h60
  text "Top Layer - Bottom Layer" at 1070,3521.8 h60
  text "Via" at 2569.55,3521.8 h60
  text "Rounded" at 3159.4,3521.8 h60
  text "v80h40m0mx0" at 3905.2,3521.8 h60
  text "-" at 8695.8,3521.8 h60
  text "-" at 9865.46,3521.8 h60
  text "3" at -1909.18,3371.8 h60
  text "1,000mm (39,37mil)" at -1309.34,3371.8 h60
  text "PTH" at -169.68,3371.8 h60
  text "Slot" at 336.2,3371.8 h60
  text "Top Layer - Bottom Layer" at 1070,3371.8 h60
  text "Pad" at 2569.55,3371.8 h60
  text "Rounded" at 3159.4,3371.8 h60
  text "r500_300h100_320r100" at 3905.2,3371.8 h60
  text "3,200mm (125,98mil)" at 8695.8,3371.8 h60
  text "2,200mm (86,61mil)" at 9865.46,3371.8 h60
  text "6" at -1909.18,3221.8 h60
  text "3,000mm (118,11mil)" at -1309.34,3221.8 h60
  text "NPTH" at -169.68,3221.8 h60
  text "Round" at 336.2,3221.8 h60
  text "Top Layer - Bottom Layer" at 1070,3221.8 h60
  text "Pad" at 2569.55,3221.8 h60
  text "Rounded" at 3159.4,3221.8 h60
  text "c300hn300" at 3905.2,3221.8 h60
  text "-" at 8695.8,3221.8 h60
  text "-" at 9865.46,3221.8 h60
  text "81" at -1909.18,3071.8 h60
  text "1,000mm (39,37mil)" at -1309.34,3071.8 h60
  text "PTH" at -169.68,3071.8 h60
  text "Round" at 336.2,3071.8 h60
  text "Top Layer - Bottom Layer" at 1070,3071.8 h60
  text "Pad" at 2569.55,3071.8 h60
  text "(Mixed)" at 3159.4,3071.8 h60
  text "(Mixed)" at 3905.2,3071.8 h60
  text "-" at 8695.8,3071.8 h60
  text "-" at 9865.46,3071.8 h60
  text "688" at -1909.18,2921.8 h60
  text "0,305mm (12,00mil)" at -1309.34,2921.8 h60
  text "PTH" at -169.68,2921.8 h60
  text "Round" at 336.2,2921.8 h60
  text "Top Layer - Bottom Layer" at 1070,2921.8 h60
  text "Via" at 2569.55,2921.8 h60
  text "Rounded" at 3159.4,2921.8 h60
  text "(Mixed)" at 3905.2,2921.8 h60
  text "-" at 8695.8,2921.8 h60
  text "-" at 9865.46,2921.8 h60
  text "783 Total" at -1909.18,2771.8 h60
  text "Slot definitions :" at -2415.06,2626.83 h60
  text "Routed Path Length" at -1382.37,2626.83 h60
  text "= Calculated from tool start centre position to tool end centre position." at -279.7,2626.83 h60
  text "Hole Length" at -1382.37,2526.86 h60
  text "= Routed Path Length + Tool Size = Slot length as defined in the PCB layout" at -689.57,2526.86 h60

## Text inside footprints (layer, text, board x,y; h text height)
C10: Top Overlay "+" at -120.92,968.89 h40 r90
C13: Top Overlay "+" at -541.66,1055 h40 r270
C15: Top Overlay "+" at -868.22,402.86 h40 r270
C17: Top Overlay "+" at -528.66,402.86 h40 r270
P1: Top Overlay "1" at 515,1845.3 h28
P2: Top Overlay "1" at 1080.18,-331.7 h28
P5: Top Overlay "1" at -2246.56,1757.86 h28
P8: Top Overlay "1" at -311.56,547.86 h28